# Altium PCB FM_V0.1.PcbDoc (part 1 of 3)
Units mm, origin at the board's own origin, x right, y up, seen from the top; angles counter-clockwise.
Board outline 99.9 x 100.1 mm, 2 copper layers (Top Layer, Bottom Layer); 147 components, 106 nets, 533 pads, 1581 vias.
Unrouted connection lines stored in the file: 2.
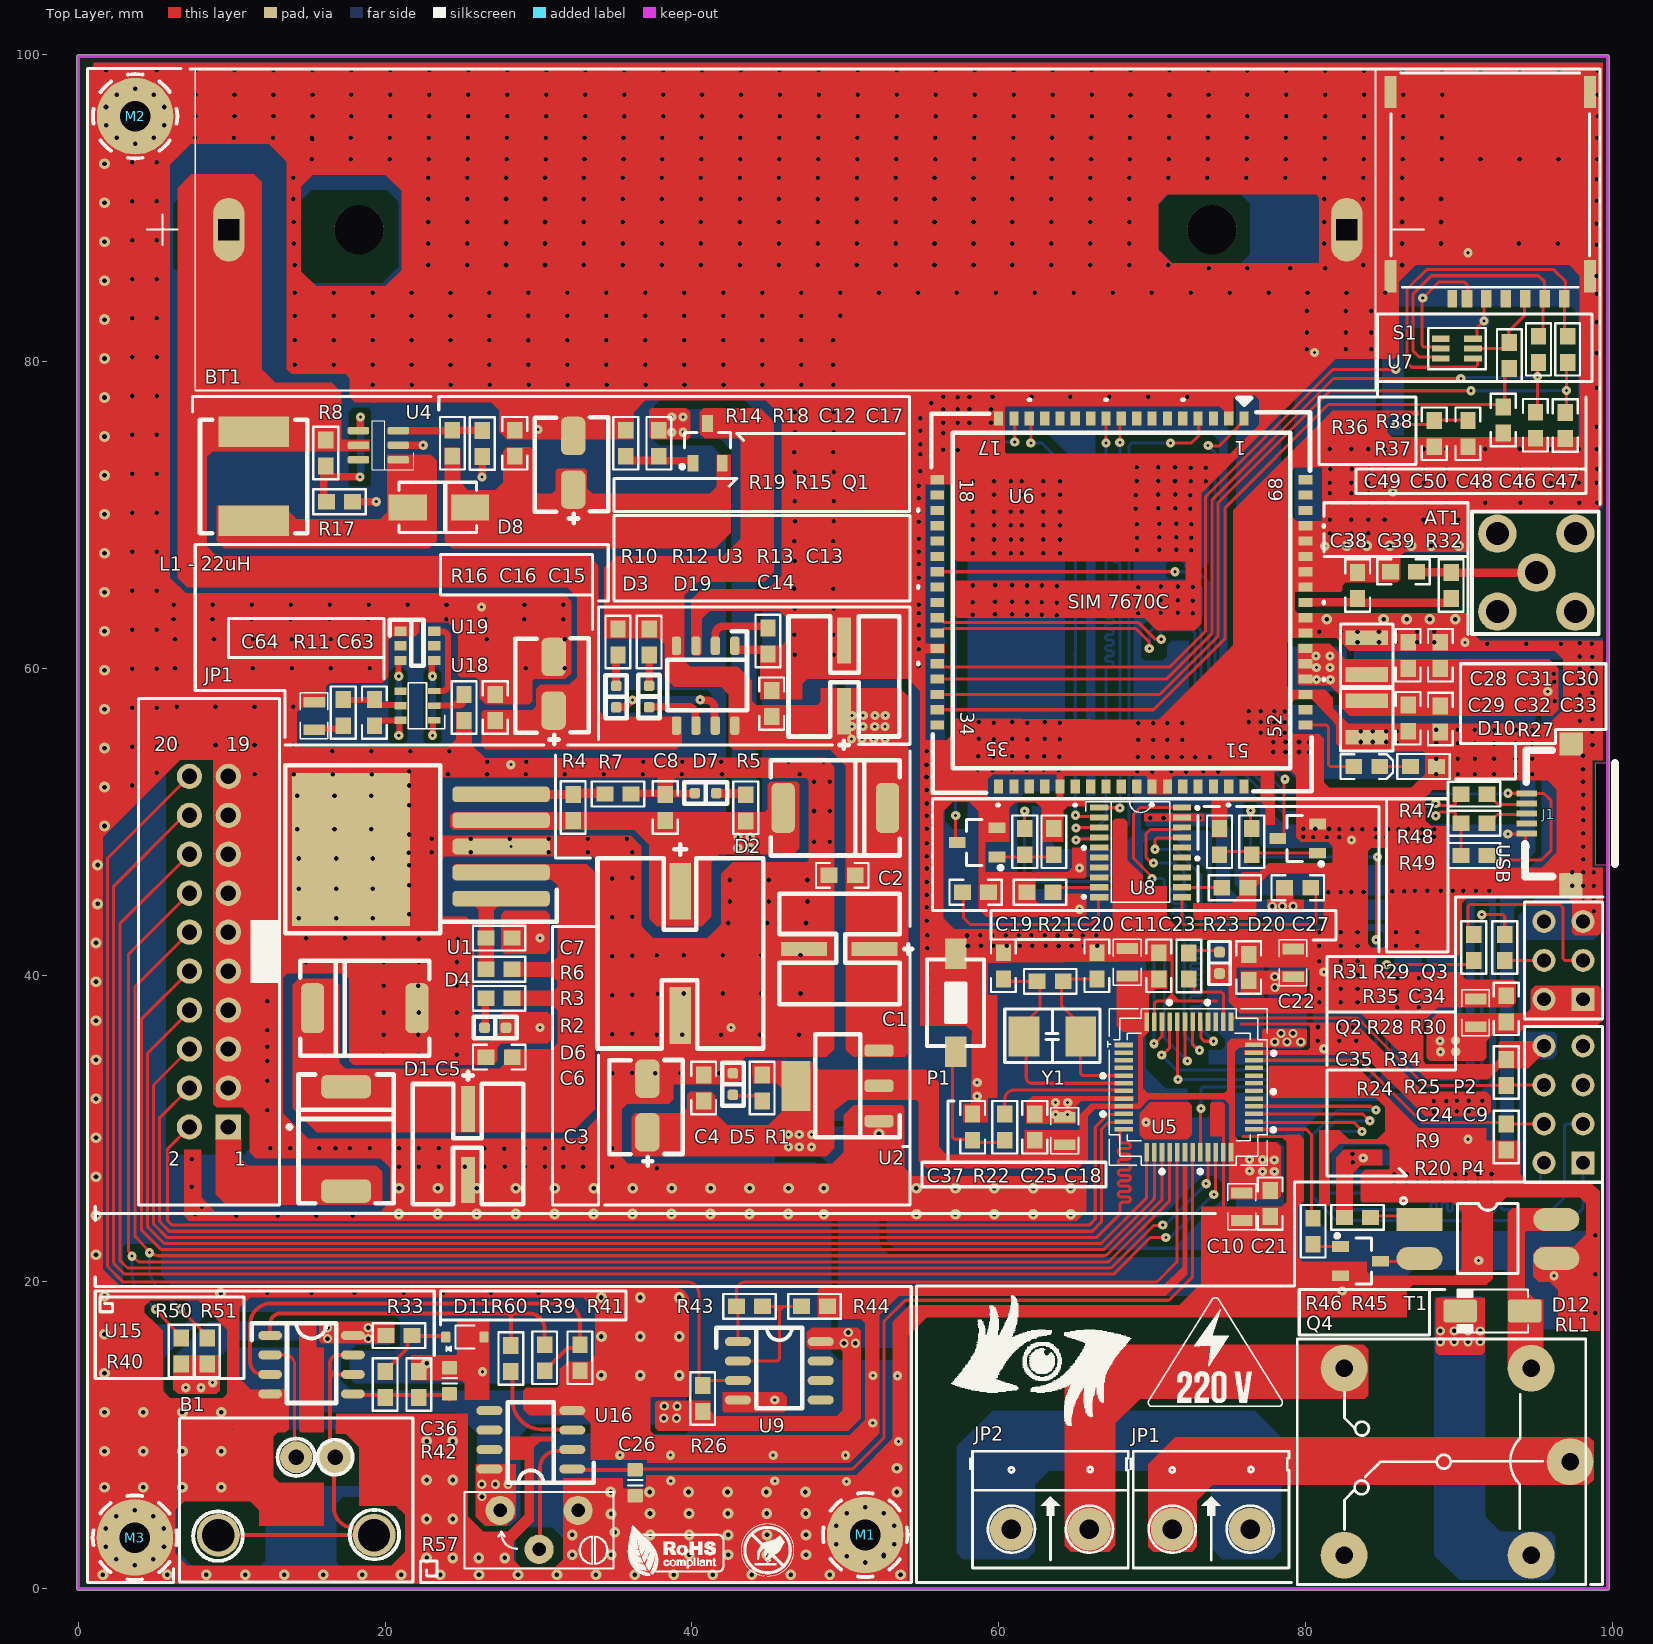
[diagram p0: Top Layer view]
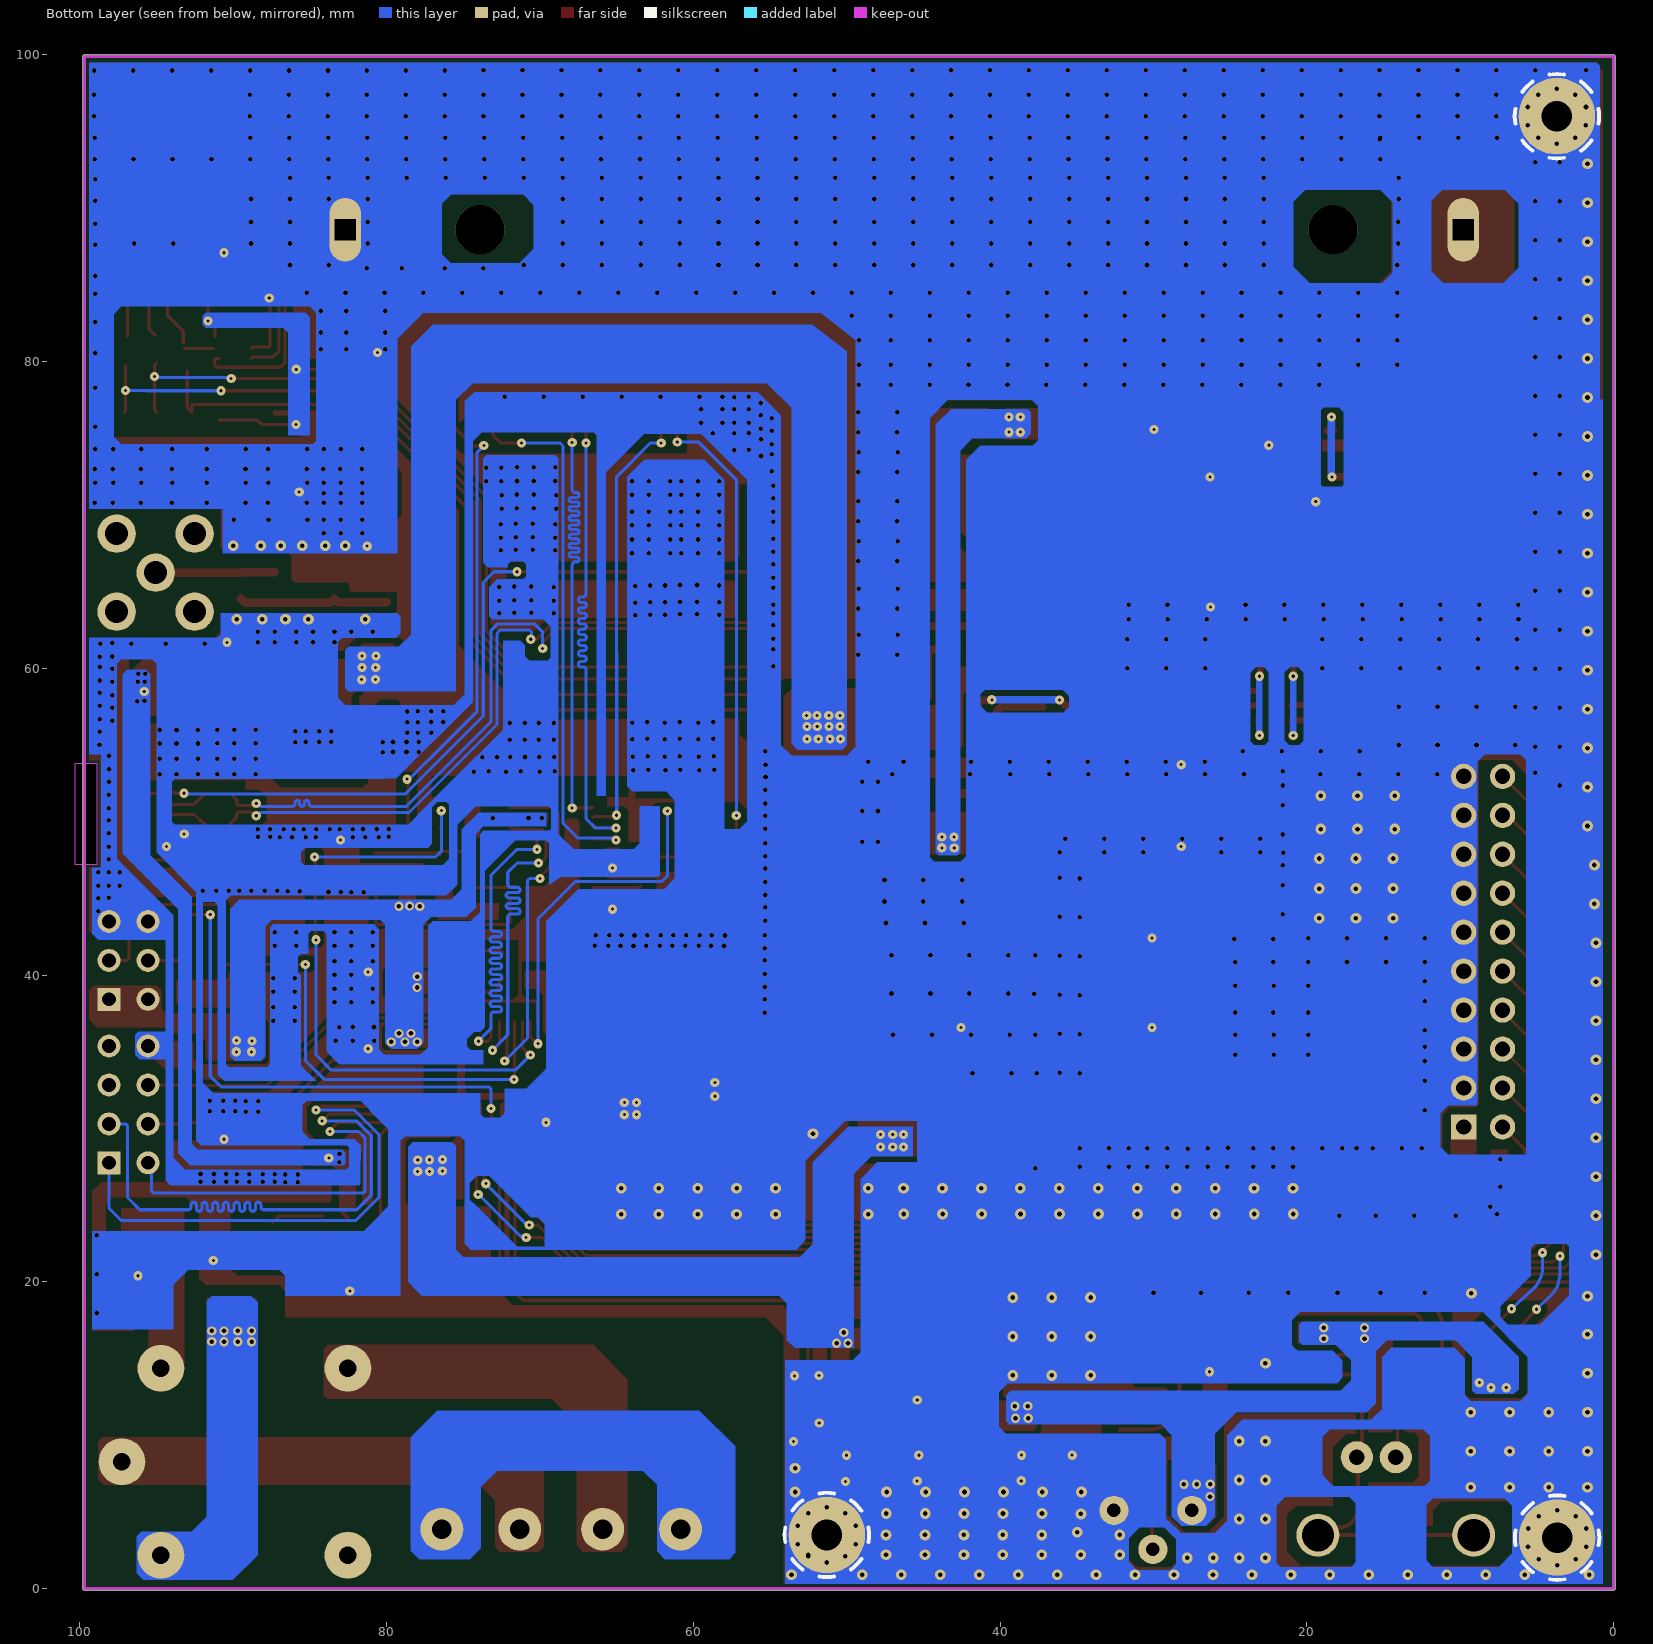
[diagram p1: Bottom Layer view, seen from below]
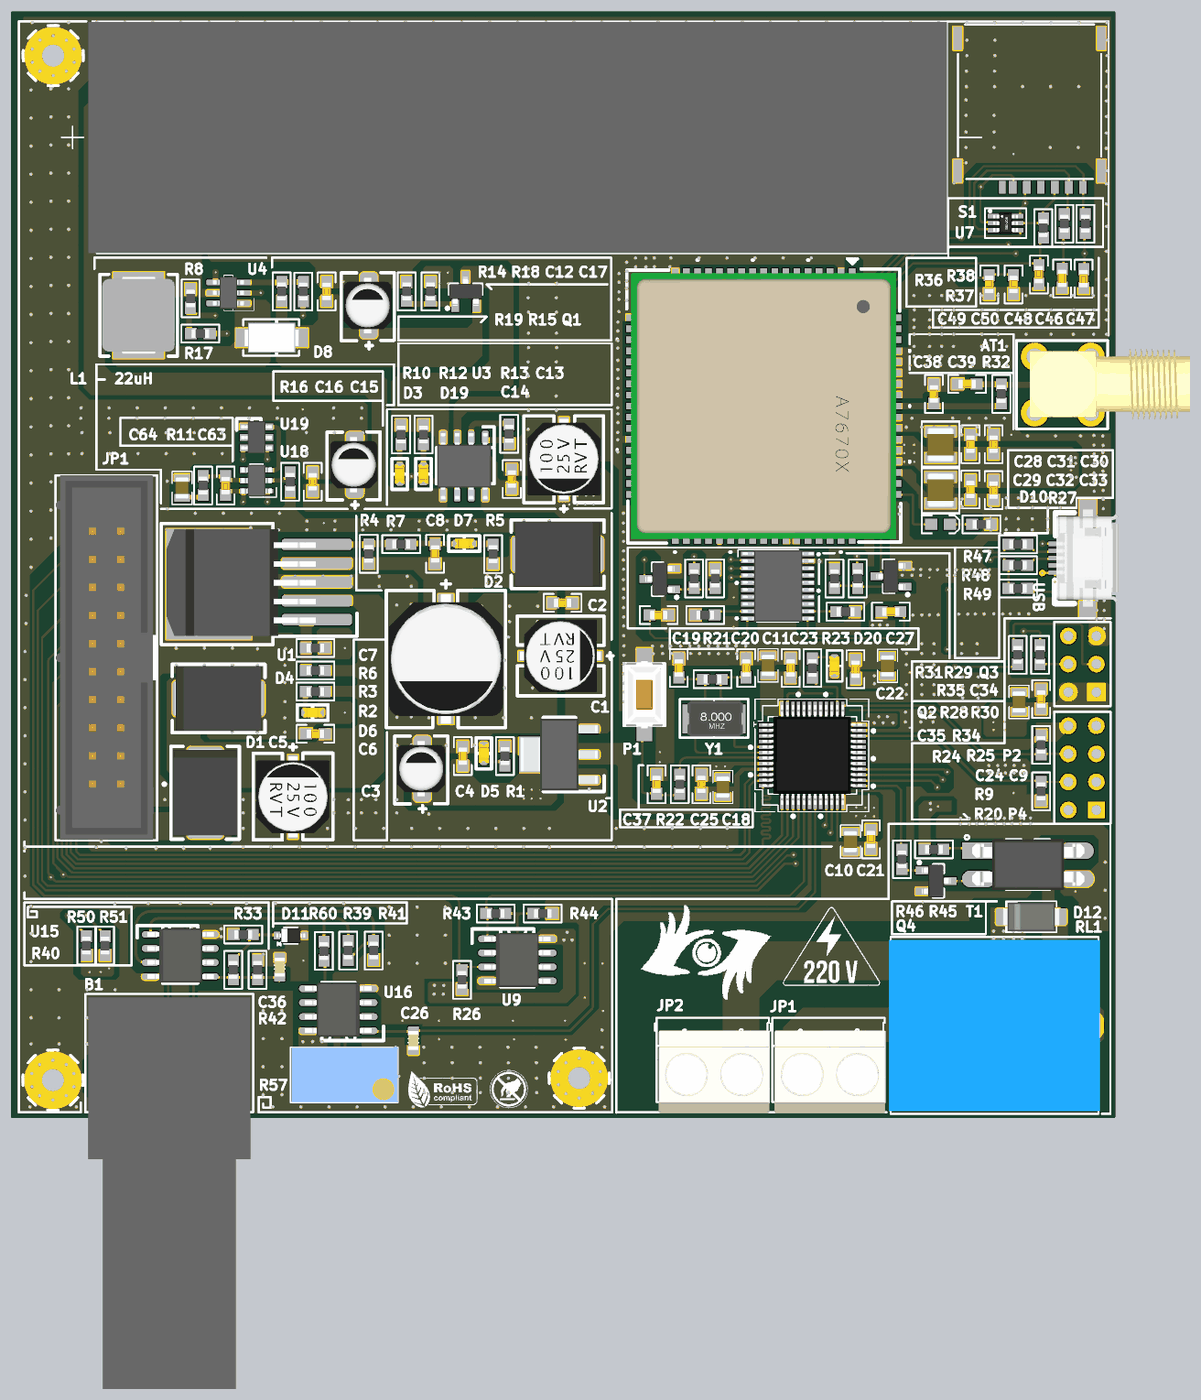
[diagram p4: 3D render of the assembled board from above, using the file's embedded part models]

## Layer stack, top to bottom
Top Solder: solder mask 0.0102, Solder Resist, Dk 3.5
Top Layer: signal copper 0.0356
Dielectric 1: dielectric 0.32, FR-4, Dk 4.8
Bottom Layer: signal copper 0.0356
Bottom Solder: solder mask 0.0102, Solder Resist, Dk 3.5

## Board outline
0,-0.1 cw(c0,0) -0.1,0 -0.1,99.9 cw(c0,99.9) 0,100 99.7,100 cw(c99.7,99.9) 99.8,99.9 99.8,0 cw(c99.7,0) 99.7,-0.1
cut-out: 98.9,53.8 98.9,47.2 100.3,47.2 100.3,53.8

## Design rules (kind name [scope] priority, off if disabled: settings)
Clearance [All] p1: gap=0.2 ignorepadtopadclearanceinfootprint=FALSE
Creepage [All] p1: checkdistance=0.254
DiffPairsRouting [InDifferentialPair('USB')] p1: maxlimit=0.254 minlimit=0.2 mostfreqgap=0.2 toplayer_minwidth=0.2 toplayer_maxwidth=0.2 toplayer_prefwidth=0.2 bottomlayer_minwidth=0.2 bottomlayer_maxwidth=0.2 bottomlayer_prefwidth=0.2 maxuncoupledlength=12.7
Length TMS_CLS [InNetClass('TSM_CLS')] p1: maxlimit=200 minlimit=0
Length [InNetClass('USB_CLS')] p2: maxlimit=200 minlimit=0
MatchedLengths TSM_CLS_1 [All] p1: tolerance=0.2 checknetsindiffpair=TRUE checkdiffpairvsdiffpair=FALSE checkxsignals=FALSE checkothers=FALSE
MatchedLengths [InNetClass('USB_CLS')] p2: tolerance=0.2 checknetsindiffpair=TRUE checkdiffpairvsdiffpair=FALSE checkxsignals=FALSE checkothers=FALSE
ParallelSegment TSM_CLS [InNetClass('TSM_CLS') vs InNetClass('TSM_CLS')] p1: limit=0.19 gap=0.19
ParallelSegment [InNetClass('USB_CLS') vs InNetClass('USB_CLS')] p2: limit=0.2 gap=0.2
PlaneConnect [All] p1: planeconnectstyle=Direct reliefexpansion=0.508 reliefentries=4 reliefconductorwidth=0.254 reliefairgap=0.254
PolygonConnect [All] p1: thpad.connectstyle=Direct thpad.reliefconductorwidth=0.254 thpad.reliefentries=4 thpad.polygonreliefangle="90 Angle" thpad.airgapwidth=0.254 smdpad.connectstyle=Direct smdpad.reliefconductorwidth=0.254 smdpad.reliefentries=4 smdpad.polygonreliefangle="90 Angle" smdpad.airgapwidth=0.254 via.connectstyle=Relief via.reliefconductorwidth=0.254 via.reliefentries=4 via.polygonreliefangle="90 Angle" via.airgapwidth=0.254
ReturnPath TSM_CLS_2 [InNetClass('TSM_CLS')] p1: _gaplimit=0
ReturnPath [InNetClass('USB_CLS')] p2: _gaplimit=0
RoutingCorners [All] p1: cornerstyle=Round minsetback=0.2 maxsetback=0.2
RoutingVias [All] p1: holewidth=0.2 width=0.6 viastyle="Through Hole" minholewidth=0.2 minwidth=0.3 maxholewidth=0.3 maxwidth=0.7
SolderMaskExpansion [All] p1: expansion=0.102 istentingtop=FALSE
UnConnectedPin [InNet('12V_IN')] p1:
UnRoutedNet [All] p1: checkbadconnections=TRUE
Width [All] p1: maxlimit=1 minlimit=0.15 preferedwidth=0.2
26 further rules are at their usual default settings.

## Classes and differential pairs
net class TSM_CLS: MCU_PIN_CTR_N1 MCU_PIN_CTR_N2 MCU_PIN_CTR_RI MCU_PIN_RX1_SIM MCU_PIN_RX2_DB MCU_PIN_SPI_CLK MCU_PIN_SPI_MISO MCU_PIN_SPI_MOSI MCU_PIN_TX1_SIM MCU_PIN_TX2_DB
net class USB_CLS: USB_N USB_P
component class U_[F_V1]MCU_Sheet: C9 C10 C11 C18 C19 C20 C21 C22 C23 C24 C25 C27 C37 D12 D20 JP1 JP2 P1 P2 P4 Q4 R9 R20 R21 R22 R23 R24 R25 R45 R46 RL1 T1 U5 Y1
component class U_[F_V1]_Sensors_And_BlockControl_Sheet: B1 C26 C36 D11 R26 R33 R39 R40 R41 R42 R43 R44 R57 R60 U9 U15 U16
component class U_[F_V1]_PowerSheet: BT1 C1 C2 C3 C4 C5 C6 C7 C8 C12 C13 C14 C15 C16 C17 C63 C64 D1 D2 D3 D4 D5 D6 D7 D8 D19 JP1 "L1 - 22uH" M1 M2 M3 Q1 R1 R2 R3 R4 R5 R6 R7 R8 R10 R11 R12 R13 R14 R15 R16 R17 R18 R19 R50 R51 U1 U2 U3 U4 U18 U19
component class U_[F_V1]_CommMunication_Sheet: AT1 C28 C29 C30 C31 C32 C33 C34 C35 C38 C39 C46 C47 C48 C49 C50 D10 J1 Q2 Q3 R27 R28 R29 R30 R31 R32 R34 R35 R36 R37 R38 R47 R48 R49 S1 U6 U7 U8
differential pair USB: +USB_P -USB_N

## Components (designator, comment, footprint, x,y, rotation, side; value= is the part's Value field where it differs from the comment)
AT1 "AT-GSM-GPS" "ANTENA - SMA2" 95.06,66.24 r0 top
B1 "CP-BNCPC-010" BNC 14.2,6.025 r90 top
BT1 "PIN-18650" PIN 18.295,88.8 r0 top
C1 "100uF" "CAPACITOR 6.3x7.7mm" 49.6,41.7 r90 top
C2 "100nF" "CAPC-0603 (1608)" 49.8,46.5 r0 top value=NF
C3 "25v 10uF SMD" "CAPACITOR 4x5.4mm" 37.1,31.5 r0 top
C4 "100nF" "CAPC-0603 (1608)" 40.767,32.639 r270 top value=NF
C5 "100uF" "CAPACITOR 6.3x7.7mm" 25.4,28.956 r180 top
C6 "1uF" "CAPC-0603 (1608)" 27.435,34.653 r0 top value=NF
C7 "330uF" "CAPACITOR 8x10mm SMD" 39.243,41.416 r180 top
C8 "100nF" "CAPC-0603 (1608)" 38.262,50.934 r270 top value=NF
C9 "NF" "CAPC-0603 (1608)" 93.1,37.8 r270 top
C10 "10uF" "CAP 10uF SMD 0805" 75.85,24.9 r90 top
C11 "10uF" "CAP 10uF SMD 0805" 68.386,40.839 r270 top
C12 "1000nF" "CAPC-0603 (1608)" 28.448,74.676 r270 top value=NF
C13 "100uF" "CAPACITOR 6.3x7.7mm" 49.91,59.504 r0 top
C14 "100nF" "CAPC-0603 (1608)" 45.2,57.7 r270 top value=NF
C15 "25v 10uF SMD" "CAPACITOR 4x5.4mm" 30.987,58.996 r0 top
C16 "100nF" "CAPC-0603 (1608)" 27.183,57.453 r270 top value=NF
C17 "25v 10uF SMD" "CAPACITOR 4x5.4mm" 32.258,73.406 r0 top
C18 "10uF" "CAP 10uF SMD 0805" 64.306,29.841 r270 top
C19 "NF" "CAPC-0603 (1608)" 60.312,40.608 r270 top
C20 "NF" "CAPC-0603 (1608)" 66.408,40.608 r270 top
C21 "NF" "CAPC-0603 (1608)" 77.7,25.1 r90 top
C22 "10uF" "CAP 10uF SMD 0805" 79.2,40.8 r270 top
C23 "NF" "CAPC-0603 (1608)" 70.437,40.608 r270 top
C24 "10uF" "CAP 10uF SMD 0805" 91.099,37.536 r270 top
C25 "NF" "CAPC-0603 (1608)" 62.358,30.083 r270 top
C26 "104" CAPC1608X90N 36.3,6.9 r270 top
C27 "NF" "CAPC-0603 (1608)" 76.3,40.5 r270 top
C28 "100uF" "100uF 1210 SMD" 84,60.8 r270 top
C29 "100uF" "100uF 1210 SMD" 84,56.7 r90 top
C30 "10PF" "CAPC-0603 (1608)" 88.8,60.85 r270 top value=NF
C31 "33PF" "CAPC-0603 (1608)" 86.7,60.85 r270 top value=NF
C32 "0.1UF" "CAPC-0603 (1608)" 86.7,56.75 r90 top value=NF
C33 "1UF" "CAPC-0603 (1608)" 88.8,56.7 r90 top value=NF
C34 "10PF" "CAPC-0603 (1608)" 79.5,45.7 r180 top value=NF
C35 "10PF" "CAPC-0603 (1608)" 58.5,45.4 r180 top value=NF
C36 "104" CAPC1608X90N 24.2,13.55 r90 top
C37 "NF" "CAPC-0603 (1608)" 58.3,30.083 r270 top
C38 "NF" "CAPC-0603 (1608)" 83.4,65.4 r270 top
C39 "NF" "CAPC-0603 (1608)" 86.4,66.3 r0 top
C46 "NF" "CAPC-0603 (1608)" 95,75.85 r90 top
C47 "NF" "CAPC-0603 (1608)" 96.945,75.832 r90 top
C48 "NF" "CAPC-0603 (1608)" 92.9,76.2 r90 top
C49 "NF" "CAPC-0603 (1608)" 88.4,75.3 r90 top
C50 "NF" "CAPC-0603 (1608)" 90.6,75.3 r90 top
C63 "100nF" "CAPC-0603 (1608)" 19.304,57.111 r90 top value=NF
C64 "10uF" "CAP 10uF SMD 0805" 15.367,56.896 r270 top
D1 "S3M" S3M 17.452,29.319 r90 top
D2 "S3M" S3M 49.35,50.9 r0 top
D3 "LED - 0603" "LED - 0603" 35.064,58.158 r270 top
D4 "S3M" S3M 18.669,37.846 r180 top
D5 "LED - 0603" "LED - 0603" 42.672,32.893 r90 top
D6 "LED - 0603" "LED - 0603" 27.178,36.576 r0 top
D7 "LED - 0603" "LED - 0603" 40.892,51.866 r180 top
D8 "SS34" DIODE_DO214AC_SMA 23.495,70.485 r0 top
D10 "RED" LED_0603_RED 84,53.6 r0 top
D11 "3.3V" SOD323 25.2,16.4 r0 top
D12 "Diode  1N4007" DO-214AC 92.2,18.1 r180 top value=1N4007
D19 "LED - 0603" "LED - 0603" 37.211,58.166 r270 top
D20 "LED - 0603" "LED - 0603" 74.4,40.8 r270 top
J1 "USB_M" USB_M 94.43,50.544 r0 top
JP1 "Header 2_1" HED2 71.317,3.876 r0 top value="Header 2"
JP1 "IDC20" "CAPBLE 20" 8.509,41.529 r90 top
JP2 "Header 2_1" HED2 60.837,3.876 r0 top value="Header 2"
"L1 - 22uH" "L-22uH-0530" INDUCTOR-0630-SMD 11.43,72.517 r270 top
M1 "HOLE" HOLE_2MM_5MM 51.3,3.5 r0 top
M2 "HOLE" HOLE_2MM_5MM 3.7,96 r0 top
M3 "HOLE" HOLE_2MM_5MM 3.68,3.32 r0 top
P1 "Value" "SW 2P SMD" 57.143,38.2 r90 top
P2 "Header 3X2A" HDR2X3_CEN 98.1,38.42 r90 top
P4 "Header 4X2A" HDR2X4_CEN 98.1,27.76 r90 top
Q1 "20V/4A" SOT23_3 41.021,74.676 r90 top
Q2 "2SC1815" SOT23_3 58.6,48.65 r180 top
Q3 "2SC1815" SOT23_3 79.5,48.9 r180 top
Q4 "2SC1815" SOT23_3 83.6,21.35 r0 top
R1 "650R" "RESC-0603 (1608)" 44.577,32.639 r90 top value=5.1R
R2 "1.2K" "RESC-0603 (1608)" 27.432,38.481 r0 top value=5.1R
R3 "6K" "RESC-0603 (1608)" 27.432,40.386 r180 top value=5.1R
R4 "100K" "RESC-0603 (1608)" 32.258,50.927 r90 top value=5.1R
R5 "330R" "RESC-0603 (1608)" 43.509,50.909 r270 top value=5.1R
R6 "6K" "RESC-0603 (1608)" 27.432,42.418 r180 top value=5.1R
R7 "47K" "RESC-0603 (1608)" 35.19,51.808 r180 top value=5.1R
R8 "5.27K" "RESC-0603 (1608)" 16.129,74.041 r270 top value=5.1R
R9 "10K" "RESC-0603 (1608)" 93.1,33.65 r90 top value=5.1R
R10 "5.1R" "RESC-0603 (1608)" 35.179,61.722 r90 top
R11 "100R" "RESC-0603 (1608)" 17.272,57.111 r270 top value=5.1R
R12 "5.1R" "RESC-0603 (1608)" 37.211,61.722 r90 top
R13 "1.2K" "RESC-0603 (1608)" 44.957,61.79 r90 top value=5.1R
R14 "14.7K" "RESC-0603 (1608)" 24.384,74.676 r90 top value=5.1R
R15 "5.1R" "RESC-0603 (1608)" 37.846,74.676 r270 top
R16 "1K" "RESC-0603 (1608)" 25.146,57.453 r270 top value=5.1R
R17 "5K" "RESC-0603 (1608)" 17.018,70.866 r0 top value=5.1R
R18 "2K" "RESC-0603 (1608)" 26.333,74.667 r270 top value=5.1R
R19 "5.1R" "RESC-0603 (1608)" 35.687,74.676 r270 top
R20 "10K" "RESC-0603 (1608)" 93.1,29.45 r270 top value=5.1R
R21 "1K" "RESC-0603 (1608)" 63.36,39.592 r0 top value=5.1R
R22 "10K" "RESC-0603 (1608)" 60.4,30.083 r270 top value=5.1R
R23 "1K" "RESC-0603 (1608)" 72.4,40.6 r90 top value=5.1R
R24 "10K" "RESC-0603 (1608)" 90.975,41.8 r90 top value=5.1R
R25 "10K" "RESC-0603 (1608)" 93,41.8 r90 top value=5.1R
R26 "1K" "RESC-0603 (1608)" 40.7,12.4 r270 top value=5.1R
R27 "NF" "RESC-0603 (1608)" 87.7,53.6 r180 top
R28 "NF" "RESC-0603 (1608)" 61.7,48.7 r90 top
R29 "NF" "RESC-0603 (1608)" 76.5,48.7 r90 top
R30 "NF" "RESC-0603 (1608)" 63.6,48.7 r90 top
R31 "NF" "RESC-0603 (1608)" 74.4,48.7 r90 top
R32 "NF" "RESC-0603 (1608)" 89.5,65.4 r270 top
R33 "1K" "RESC-0603 (1608)" 20.9,16.5 r180 top value=5.1R
R34 "NF" "RESC-0603 (1608)" 62.7,45.4 r0 top
R35 "NF" "RESC-0603 (1608)" 75.4,45.7 r0 top
R36 "NF" "RESC-0603 (1608)" 93.3,80.4 r270 top
R37 "NF" "RESC-0603 (1608)" 97.1,80.8 r270 top
R38 "NF" "RESC-0603 (1608)" 95.2,80.8 r270 top
R39 "10K" "RESC-0603 (1608)" 30.4,15.05 r90 top value=5.1R
R40 "1K" "RESC-0603 (1608)" 20,13.3 r90 top value=5.1R
R41 "10K" "RESC-0603 (1608)" 32.7,15.05 r90 top value=5.1R
R42 "10K" "RESC-0603 (1608)" 22.2,13.3 r270 top value=5.1R
R43 "1K" "RESC-0603 (1608)" 43.75,18.4 r180 top value=5.1R
R44 "200R" "RESC-0603 (1608)" 48,18.4 r180 top value=5.1R
R45 "1K" "RESC-0603 (1608)" 83.4,24.2 r0 top value=5.1R
R46 "1K" "RESC-0603 (1608)" 80.5,23.3 r270 top value=5.1R
R47 "NF" "RESC-0603 (1608)" 91,51.8 r180 top
R48 "NF" "RESC-0603 (1608)" 91,49.9 r180 top
R49 "NF" "RESC-0603 (1608)" 91,47.8 r0 top
R50 "330R" "RESC-0603 (1608)" 6.7,15.5 r90 top value=5.1R
R51 "330R" "RESC-0603 (1608)" 8.4,15.5 r90 top value=5.1R
R57 "25 Turn" "TrimPot_THT_2.54mm pitch" 32.58,5.1 r270 top value=10K
R60 "1K" "RESC-0603 (1608)" 28.2,15 r90 top value=5.1R
RL1 "Relay 10A/12V" RL_SPDT_10A 97.257,8.272 r180 top value="Relay SPDT, 10A, 12V"
S1 "SOCKET SIM C7801" "SOCKET SIM" 90.17,81.89 r0 top
T1 "70V/50mA" "OPTO TRANSISTOR_SMD-4" 91.9,22.8 r0 top
U1 "MIC29302A" MIC29302A 21.082,48.387 r90 top
U2 "AMS1117 - 3.3V" "AMS1117 -3.3V" 49.497,32.78 r90 top
U3 "TP4056" TP4056 40.893,58.869 r180 top
U4 "MT3608" MT3608 19.558,74.549 r90 top
U5 "STM32F103C8T6" STM32F103C8T6 72.4,32.7 r0 top
U6 "Module Sim A7670C" "Module Sim A7670C" 68,64.3 r180 top
U7 "SMF05CT2G" SOT65P210X140-6N 89.882,80.845 r0 top
U8 "TXS0108E" TXS0108E 69.6,48.1 r0 top
U9 "LM358D" LM358 45.7,14.2 r270 top
U15 "TLC4502" TLC4502 15.2,14.6 r270 top
U16 "LM358D" LM358 29.5,9.7 r90 top
U18 "DW01A" DW01A 22.096,57.566 r90 top
U19 "FS8205" FS8205 22.098,61.468 r270 top
Y1 "CRYSTAL - 8MHZ" "CRYSTAL - 8Mhz" 63.5,36 r180 top

## Footprints (in the part's own frame and the unit in brackets; to place one, negate y for a bottom-side part, rotate by r counter-clockwise, add the part's x,y. Pads: shape width x height; smd on the part's side, far side on the other; paste and mask are expansions set on the pad)
"100uF 1210 SMD" [mm]
  rect 0.95x2.8 smd: 1(-1.2,0) 2(1.2,0)
  silkscreen extent -2.1,-1.7 2,1.7, body extent -1.6,-1.25 1.6,1.25, height 2.7
"AMS1117 -3.3V" [mm]
  rrect50% 0.8x1.9 smd: 1(-2.3,-2.7) 2(0,-2.7) 3(2.3,-2.7)
  rect 3.25x1.9 smd: 2(0,2.7)
  silkscreen extent -3.35,-4.06 3.35,1.45, body extent -3.25,-3.5 3.25,3.5, height 1.8
"ANTENA - SMA2" [mm]
  round 2.5 hole 1.5: 1(0,0) 2(-2.54,-2.54) 2(-2.54,2.54) 2(2.54,-2.54) 2(2.54,2.54)
  silkscreen extent -4.2,-4 4.06,4, body extent -3,-3.15 11.5,3.25, height 9.7
BNC [mm]
  round 2.1 hole 1: 1(2.54,0) 2(2.54,-2.54)
  round 2.8 hole 2.1: 2(-2.54,5.08) 2(-2.54,-5.08)
  silkscreen extent -5.6,-7.6 5.1,7.6, body extent -30.63,-7.33 4.78,7.33, height 15.9
"CAP 10uF SMD 0805" [mm]
  rect 0.7x1.4 smd: 1(-0.9,0) 2(0.9,0)
  silkscreen extent -1.5,-0.9 1.5,0.9, body extent -1,-0.62 1,0.62, height 1.3
"CAPACITOR 4x5.4mm" [mm]
  rrect50% 1.6x2.5 smd: 1(0,-1.75) 2(0,1.75)
  silkscreen extent -2.5,-3.94 2.3,2.97, body extent -2.25,-2.5 2.05,2.5, height 5.8
"CAPACITOR 6.3x7.7mm" [mm]
  rect 0.9x3 smd: 1(0,-2.3) 2(0,2.3)
  silkscreen extent -3.61,-4.76 3.6,3.9, body extent -3.3,-3.65 3.3,3.65, height 7.7
"CAPACITOR 8x10mm SMD" [mm]
  rect 1.4x3.7 smd: 1(0,-4.05) 1(0,-4.05) 2(0,4.05)
  silkscreen extent -5.4,-7.11 5.4,6.2, body extent -5.15,-5.85 5.15,5.85, height 10.3
"CAPBLE 20" [mm]
  rect 1.65x1.65 hole 1: 1(-11.43,-1.27)
  round 1.65 hole 1: 2(-11.43,1.27) 3(-8.89,-1.27) 4(-8.89,1.27) 5(-6.35,-1.27) 6(-6.35,1.27) 7(-3.81,-1.27) 8(-3.81,1.27) 9(-1.27,-1.27) 10(-1.27,1.27) 11(1.27,-1.27) 12(1.27,1.27) 13(3.81,-1.27) 14(3.81,1.27) 15(6.35,-1.27) 16(6.35,1.27) 17(8.89,-1.27) 18(8.89,1.27) 19(11.43,-1.27) 20(11.43,1.27)
  silkscreen extent -16.51,-5.38 16.51,4.6, body extent -16.48,-4.27 16.52,4.58, height 8.92
CAPC1608X90N [mm] "Chip Capacitor, Body 1.6x0.8mm, EIA 0603, IPC Medium Density"
  round 0.254 on Mech15: 0(0,0)
  rrect25% 0.9x1 smd: 1(-0.85,0) 2(0.85,0)
  Top Layer pour cut-out: -0.6,0.5 -0.4,0.7 0.4,0.7 0.6,0.5 0.6,-0.5 0.4,-0.7 -0.4,-0.7 -0.6,-0.5
  silkscreen extent -0.18,-0.48 0.18,0.48, body extent -0.85,-0.45 0.85,0.45, height 0.89
"CAPC-0603 (1608)" [mm] "Resistor, Chip; 1.60 mm L X 0.80 mm W X 0.50 mm H body"
  rect 1.1x1 smd mask+0.1: 1(-0.85,0) 2(0.85,0)
  silkscreen extent -1.71,-0.81 1.71,0.81, body extent -0.8,-0.4 0.8,0.4, height 0.6
"CRYSTAL - 8Mhz" [mm]
  rect 2x2.6 smd: 1(-1.85,0) 2(1.85,0)
  silkscreen extent -3.1,-1.8 3.1,1.7, body extent -2.61,-1.63 2.39,1.57, height 1.2
DIODE_DO214AC_SMA [mm] "Diode 2214AC- SMA type"
  rect 2.5x1.7 smd: 1(-2.032,0) 2(2.032,0)
  silkscreen extent -2.59,-1.63 2.46,1.7, body extent -2.53,-1.35 2.47,1.35, height 2.25
DO-214AC [mm] "JEDEC DO214 variation AC. SMA"
  round 0.508 on Mech15: 0(0,0)
  rrect25% 2.2x1.5 smd: A(-2.1,0) K(2.1,0)
  silkscreen extent -2.3,-1.4 2.3,1.4, body extent -2.6,-1.3 2.6,1.3, height 2.42
DW01A [mm]
  rect 0.4x0.8 smd: 1(-0.95,-1.1) 2(0,-1.1) 3(0.95,-1.1)
  rect 0.5x0.8 smd: 4(0.95,1.1) 5(0,1.1) 6(-0.95,1.1)
  silkscreen extent -1.5,-1.81 1.5,0.6, body extent -1.43,-1.4 1.42,1.4, height 1.35
FS8205 [mm]
  rect 0.6x0.8 smd: 1(-0.95,-1.1) 2(0,-1.1) 3(0.95,-1.1) 4(0.95,1.1) 5(0,1.1) 6(-0.95,1.1)
  silkscreen extent -1.7,-1.79 1.3,0.4, body extent -1.45,-1.4 1.45,1.4, height 1.43
HDR2X3_CEN [mm] "Connector; Header; 3x2 Position"
  rect 1.5x1.5 hole 0.9: 1(0,0)
  round 1.5 hole 0.9: 2(2.54,0) 3(5.08,0) 4(0,2.54) 5(2.54,2.54) 6(5.08,2.54)
  silkscreen extent -1.27,-1.27 6.35,3.81, body extent -1.27,-1.27 6.35,3.81, height 7
HDR2X4_CEN [mm] "Connector; Header; 4x2 Position"
  rect 1.5x1.5 hole 0.9: 1(0,0)
  round 1.5 hole 0.9: 2(2.54,0) 3(5.08,0) 4(7.62,0) 5(0,2.54) 6(2.54,2.54) 7(5.08,2.54) 8(7.62,2.54)
  silkscreen extent -1.27,-1.27 8.89,3.81, body extent -1.27,-1.27 8.89,3.81, height 7
HED2 [mil] "Header 2, 2 pin, hight 300mil, Pin to Pin 200, Colour Green"
  round 110 hole 50: 1(0,0) 2(200,0)
  silkscreen extent -106,-100 300,200, body extent -92,-140 302,155, height 394
HOLE_2MM_5MM [mm]
  round 5 hole 2: GND(0,0)
  silkscreen extent -2.75,-2.75 2.75,2.75
INDUCTOR-0630-SMD [mm]
  rect 2x4.6 smd: 1(-2.9,0) 2(2.9,0)
  silkscreen extent -3.7,-3.5 3.7,3.5, body extent -3.5,-3.3 3.5,3.3, height 2.8
"LED - 0603" [mm]
  rrect50% 0.7x0.7 smd: 1(-0.7,0) 2(0.7,0)
  silkscreen extent -1.4,-0.7 1.4,0.7, body extent -0.85,-0.45 0.85,0.45, height 0.9
LED_0603_RED [mm] "LED SMD; Body 1.6 x 0.8 mm (LxW typ)"
  rect 1.1x1 smd mask+0.1: 1(-0.851,0) 2(0.849,0)
  silkscreen extent -1.71,-0.81 1.71,0.81, body extent -0.8,-0.4 0.8,0.4, height 0.75
LM358 [mm]
  oval 0.6x1.7 smd: 1(-1.905,-2.7) 2(-0.635,-2.7) 3(0.635,-2.7) 4(1.905,-2.7) 5(1.905,2.7) 6(0.635,2.7) 7(-0.635,2.7) 8(-1.905,2.7)
  silkscreen extent -2.8,-4.1 2.45,1.5, body extent -2.45,-3.01 2.45,3.01, height 1.63
MIC29302A [mm] "MIC29302A - 3.3V 3A"
  rrect50% 1.02x6.35 smd: 1(-3.4,-6.477) 2(-1.7,-6.477) 3(0,-6.477) 4(1.7,-6.477) 5(3.4,-6.477)
  rect 10x7.7 smd: 3(-0.2,3.3)
  silkscreen extent -5.67,-10.11 5.3,7.6, body extent -4.89,-6.37 4.76,7.1, height 4.36
"Module Sim A7670C" [mm] "Module Sim A7670C"
  rect 0.6x0.9 smd mask+0.1: 1(-8,-12) 2(-7,-12) 3(-6,-12) 4(-5,-12) 5(-4,-12) 6(-3,-12) 7(-2,-12) 8(-1,-12) 9(0,-12) 10(1,-12) 11(2,-12) 12(3,-12) 13(4,-12) 14(5,-12) 15(6,-12) 16(7,-12) 17(8,-12) 35(8,12) 36(7,12) 37(6,12) 38(5,12) 39(4,12) 40(3,12) 41(2,12) 42(1,12) 43(0,12) 44(-1,12) 45(-2,12) 46(-3,12) 47(-4,12) 48(-5,12) 49(-6,12) 50(-7,12) 51(-8,12)
  rect 0.9x0.6 smd mask+0.1: 18(12,-8) 19(12,-7) 20(12,-6) 21(12,-5) 22(12,-4) 23(12,-3) 24(12,-2) 25(12,-1) 26(12,0) 27(12,1) 28(12,2) 29(12,3) 30(12,4) 31(12,5) 32(12,6) 33(12,7) 34(12,8) 52(-12,8) 53(-12,7) 54(-12,6) 55(-12,5) 56(-12,4) 57(-12,3) 58(-12,2) 59(-12,1) 60(-12,0) 61(-12,-1) 62(-12,-2) 63(-12,-3) 64(-12,-4) 65(-12,-5) 66(-12,-6) 67(-12,-7) 68(-12,-8)
  silkscreen extent -13.2,-13.33 13.25,13.21, body extent -12,-12 12,12, height 2.3
MT3608 [mm]
  rrect50% 0.5x1.4 smd: 1(-0.95,-1.3) 2(0,-1.3) 3(0.95,-1.3) 4(0.95,1.3) 5(0,1.3) 6(-0.95,1.3)
  silkscreen extent -1.6,-2.3 1.6,0.4, body extent -1.45,-1.4 1.45,1.4, height 1.45
"OPTO TRANSISTOR_SMD-4" [mm]
  rect 3x1.5 smd: 1(-4.46,1.27)
  oval 3x1.5 smd: 2(-4.46,-1.27) 3(4.46,-1.27) 4(4.46,1.27)
  silkscreen extent -5.71,-2.26 1.97,2.69, body extent -5.05,-2.29 5.11,2.3, height 3.85
PIN [mm]
  oval 2.07x4.14 hole 1.38 square: 1(-8.495,-0.2) 2(64.405,-0.2)
  round 3.2 hole 3.2 unplated: ""(0,-0.2) ""(55.615,-0.2)
  silkscreen extent -13.83,-10.69 69.43,10.29, body extent -11.4,-10.65 66.3,10.25, height 21.91
"RESC-0603 (1608)" [mm] "Resistor, Chip; 1.60 mm L X 0.80 mm W X 0.50 mm H body"
  rect 1.1x1 smd mask+0.1: 1(-0.85,0) 2(0.85,0)
  silkscreen extent -1.71,-0.81 1.71,0.81, body extent -0.8,-0.4 0.8,0.4, height 0.5
RL_SPDT_10A [mil] "Relay SPDT, 5 pin, 10A,W 650mil, L 800mil, H 800mil"
  round 120 hole 45: 1(0,0) 2(580,240) 3(580,-240) 4(100,-240) 5(100,240)
  silkscreen extent -40,-315 700,315, body extent -46,-304 706,306, height 602
S3M [mm]
  rrect50% 1.524x3.27 smd: 1(-3.405,0) 2(3.405,0)
  silkscreen extent -4.2,-3.1 4.2,3.1, body extent -3.97,-2.95 3.97,2.95, height 2.85
"SOCKET SIM" [mm]
  rect 0.7x1.14 smd: 1(1.63,2.2) 2(4.17,2.2) 3(6.71,2.2) 5(0.36,2.2) 6(2.9,2.2) 7(5.44,2.2)
  rect 0.8x2.1 smd: 5(-4.62,3.68) 5(-4.62,15.68) 5(8.38,3.68) 5(8.38,15.68)
  rect 0.6x1.14 smd: CD(-0.59,2.2)
  Top Layer pour cut-out: 6.6,16.155 6.6,13.205 4.8,13.205 4.8,16.155
  Top Layer pour cut-out: 4.06,16.155 4.06,13.205 2.26,13.205 2.26,16.155
  Top Layer pour cut-out: 1.52,16.155 1.52,13.205 -0.28,13.205 -0.28,16.155
  Top Layer pour cut-out: 1.52,10.18 1.52,7.23 -0.28,7.23 -0.28,10.18
  Top Layer pour cut-out: 4.06,10.18 4.06,7.23 2.26,7.23 2.26,10.18
  Top Layer pour cut-out: 6.6,10.18 6.6,7.23 4.8,7.23 4.8,10.18
  Top Layer pour cut-out: 1.52,6.155 1.52,3.205 -0.28,3.205 -0.28,6.155
  silkscreen extent -4.59,2.96 8.36,16.93, body extent -4.62,1.98 8.38,16.43, height 1.35
SOD323 [mm] "SOD-323; 2 Leads; Body 1.8 x 1.35 mm, (LxW)"
  round 0.508 on Mech15: 0(0,0)
  rrect25% 0.6x0.7 smd: A(1.25,0) K(-1.25,0)
  silkscreen extent -1.2,-0.9 0.64,0.75, body extent -1.3,-0.68 1.3,0.68, height 1.1
SOT23_3 [mm] "SOT23, 3-Leads, Body 2,90x2,30mm, Pitch 0,95mm, IPC Medium Density"
  rect 1.1x0.7 smd: 1(-1.3,0.95) 2(-1.3,-0.95) 3(1.3,0)
  silkscreen extent -1.65,-1.5 0.7,1.78, body extent -1.3,-1.5 1.3,1.5, height 1.1
SOT65P210X140-6N [mm] "SOT23, 6-Leads, Body 2.00x2.10mm, Pitch 0.65mm, IPC Medium Density"
  round 0.4 on Top Overlay: 0(-1.4,1.1)
  rect 1.15x0.4 smd: 1(-1.05,0.65) 2(-1.05,0) 3(-1.05,-0.65) 4(1.05,-0.65) 5(1.05,0) 6(1.05,0.65)
  silkscreen extent -1.88,-1.35 1.88,1.35, body extent -1.13,-1 1.13,1, height 1
STM32F103C8T6 [mm]
  rect 1.2x0.3 smd: 1(-4.25,2.74) 2(-4.25,2.25) 3(-4.25,1.75) 4(-4.25,1.25) 5(-4.25,0.75) 6(-4.25,0.25) 7(-4.25,-0.25) 8(-4.25,-0.75) 9(-4.25,-1.25) 10(-4.25,-1.75) 11(-4.25,-2.25) 12(-4.25,-2.75) 25(4.25,-2.75) 26(4.25,-2.25) 27(4.25,-1.75) 28(4.25,-1.25) 29(4.25,-0.75) 30(4.25,-0.25) 31(4.25,0.25) 32(4.25,0.75) 33(4.25,1.25) 34(4.25,1.75) 35(4.25,2.25) 36(4.25,2.75)
  rect 0.3x1.2 smd: 13(-2.75,-4.25) 14(-2.25,-4.25) 15(-1.75,-4.25) 16(-1.25,-4.25) 17(-0.75,-4.25) 18(-0.25,-4.25) 19(0.25,-4.25) 20(0.75,-4.25) 21(1.25,-4.25) 22(1.75,-4.25) 23(2.25,-4.25) 24(2.75,-4.25) 37(2.75,4.25) 38(2.25,4.25) 39(1.75,4.25) 40(1.25,4.25) 41(0.75,4.25) 42(0.25,4.25) 43(-0.25,4.25) 44(-0.75,4.25) 45(-1.25,4.25) 46(-1.75,4.25) 47(-2.25,4.25) 48(-2.75,4.25)
  silkscreen extent -5.7,-5.61 5.63,5.61, body extent -4.5,-4.46 4.5,4.54, height 1.48
"SW 2P SMD" [mm]
  rect 2x1.4 smd: 1(-3.2,-0.051) 2(3.2,-0.051)
  silkscreen extent -2.82,-1.91 2.82,1.8, body extent -3.05,-1.9 3.05,1.8, height 2.5
TLC4502 [mm]
  oval 0.6x1.55 smd: 1(-1.905,-2.7) 2(-0.635,-2.7) 3(0.635,-2.7) 4(1.905,-2.7) 5(1.905,2.7) 6(0.635,2.7) 7(-0.635,2.7) 8(-1.905,2.7)
  silkscreen extent -2.7,-3.9 2.5,1.6, body extent -2.45,-2.97 2.45,3.05, height 1.63
TP4056 [mm]
  rrect50% 0.6x1.2 smd: 1(-1.905,-2.6) 1(-1.905,-2.6) 2(-0.635,-2.6) 3(0.635,-2.6) 4(1.905,-2.6) 5(1.905,2.6) 6(0.635,2.6) 7(-0.635,2.6) 8(-1.905,2.6)
  silkscreen extent -2.7,-3.55 2.5,1.6, body extent -2.45,-3 2.45,3, height 1.75
"TrimPot_THT_2.54mm pitch" [mil] "TRIMMER, MURATA, PV36Y"
  round 75 hole 35: 1(0,0) 2(100,-100) 3(0,-200)
  silkscreen extent -47,-291 150,91, body extent -47,-287 150,91, height 445
TXS0108E [mm]
  rect 1.2x0.4 smd: 1(-3.044,2.825) 2(-3.044,2.175) 3(-3.044,1.525) 4(-3.044,0.875) 5(-3.044,0.225) 6(-3.044,-0.425) 7(-3.044,-1.075) 8(-3.044,-1.725) 9(-3.044,-2.375) 10(-3.044,-3.025) 11(2.356,-3.025) 12(2.356,-2.375) 13(2.356,-1.725) 14(2.356,-1.075) 15(2.356,-0.425) 16(2.356,0.225) 17(2.356,0.875) 18(2.356,1.525) 19(2.356,2.175) 20(2.356,2.825)
  silkscreen extent -4.15,-3.34 3.46,3.21, body extent -3.49,-3.32 2.91,3.18, height 1.2
USB_M [mm]
  rect 1.35x0.4 smd: 1(0,1.3) 2(0,0.65) 3(0,0) 4(0,-0.65) 5(0,-1.3)
  rect 1.524x1.524 smd: 5(2.87,-4.644) 5(2.896,4.526)
  silkscreen extent -0.1,-4.11 5.77,4.12, body extent 0.05,-4.4 5.65,4.4, height 2.7

## Part data
AT1: library part RFCON171003SF6B001, "CONNECTER ANTENNA GPS GSM", CompanyID=VT-00392, MPN=RFCON171003SF6B001, Solder=HAND
C1 C5 C13: library part "25V 100uF SMD"
C2 C4 C6 C8 C9 C12 C14 C16 C19 C20 C21 C23 C25 C27 C30 C31 C32 C33 C34 C35 C37 C38 C39 C46 C47 C48 C49 C50 C63: library part "CAPC NF 0603", "CAP SMD, Not Fill, 0603", Category=CAPACITOR, Solder="Not Fill"
C7: library part "25V 330uF SMD"
C10 C11 C18 C22 C24 C64: library part "CAP 0805 10uF SMD"
C26 C36: library part "CAP C_0603", "Capacitor SMD Cer 470nF 10% 16V X7R 0603", Manufacturer 1="Murata Electronics North America", Manufacturer 2="TDK Corporation", Manufacturer 3="Taiyo Yuden", Manufacturer 4=Samsung, Manufacturer Part Number 1=GRM188R71C474KA88D, Manufacturer Part Number 2=C1608X7R1C474K, Manufacturer Part Number 3=EMK107B7474KA-T, Manufacturer Part Number 4=CL10B474KONE, Package / Case="0603 (1608 metric)", Ratings="16V; X7R", Supplier Part Number 1=490-3295-2-ND, Tolerance=±10%, ComponentLink1Description=http://psearch.murata.com/capacitor/product/GRM188R71C474KA88#.pdf, ComponentLink1URL=http://psearch.murata.com/capacitor/product/GRM188R71C474KA88#.pdf, ComponentLink2Description=http://product.tdk.com/capacitor/mlcc/en/documents/mlcc_commercial_general_en.pdf, ComponentLink2URL=http://product.tdk.com/capacitor/mlcc/en/documents/mlcc_commercial_general_en.pdf, ComponentLink3Description=http://www.yuden.co.jp/or/product/category/capacitor/EMK107B7474KA-T.pdf, ComponentLink3URL=http://www.yuden.co.jp/or/product/category/capacitor/EMK107B7474KA-T.pdf, Material=ceramic, SCDType=spec, Supplier 1=Digi-Key, Supplier 2=Digi-Key, Supplier 3=Digi-Key, Supplier Part Number 2=445-5192-2-ND, Supplier Part Number 3=587-1250-2-ND
C28 C29: library part "CAP SMD 1210 100uF"
D8: "DIODE SCHOTTKY 40V 3A SMA", MPN=SS34, Solder=SMT
D10: library part "LED RED 0603", "LED RED 0603 SMD", Solder=SMT
D11: library part DIODE_ZENER_3V3_SOD323, "Diode Zener SMD 3.3V 200mW SOD-323", Manufacturer 1="ON Semiconductor", Manufacturer Part Number 1=MM3Z3V3ST1G, Package / Case=SOD-323, Ratings="3.3V; 0.2W; Vf=900mV @ 10mA", Supplier Part Number 1=MM3Z3V3ST1GOSCT-ND, Tolerance=±3%, Diode Type=Zener, Material=Si, SCDType=source, Supplier 1=Digi-Key
D12: "Diode 1A"
JP1 JP2: "Header, 2-Pin", Manufacturer="Generic Components", Class=Connector
JP1: library part "CAPBLE 20", "Flat Cable Connector (IDC), Standard Male Header, Straight Press-in Pin, 20 Contacts, Performance Level 2", PackageDocument=Feb-2000, ComponentLink1Description="Manufacturer Link", ComponentLink1URL=http://www.harting.com/, ComponentLink2Description="Packaging Specification", ComponentLink2URL=http://www.harkis.harting.com/_sek/pdf/TB_0918520x329_BL01_R32154.pdf, DrillSize="Corresponds to nominal value.", PackageReference=918520x329, PCB_Layout="Complies with manufacturer's recommendation.", Published=15-Nov-2004, Publisher="Altium Limited"
M1 M2 M3: library part HOLE_2_4/2_5/3_5/3_6, "HOLE 2_4/2_5/3_5/3_6", MPN=None, ClassName=MECH_HOLE, CompanyID=VT-, Solder="Not Fill"
P1: library part "Button 2 SMD", "SMD Mini Push Button Switch 2 Pin 3x6x2.7mm", MPN="SMD Mini Push Button 2 SMD", Link=https://ram-e-shop.com/product/press2pin-smd/
P2: "Header, 3-Pin, Dual row", LatestRevisionDate=17-Jul-2002, LatestRevisionNote="Re-released for DXP Platform.", Publisher="Altium Limited"
P4: "Header, 4-Pin, Dual row", Solder=WAVE
Q1: library part AO3415, "MOSFET P-CH 20V 4A SOT23", MFR="Alpha & Omega Semiconductor Inc.", MPN=AO3415, Solder=SMT
Q2 Q3 Q4: "TRANS NPN 50V 0.15A SOT23-3", MPN=2SC1815, Solder=SMT
R1 R2 R3 R4 R5 R6 R7 R8 R9 R10 R11 R12 R13 R14 R15 R16 R17 R18 R19 R20 R21 R22 R23 R24 R25 R26 R33 R39 R40 R41 R42 R43 R44 R45 R46 R50 R51 R60: library part CRCW06035R10FKEA, "RES SMD 5.1 OHM 1% 1/10W 0603", MFR="Vishay Dale", Category=RESISTOR, MPN=CRCW06035R10FKEA, PinCount=2, Solder=SMT
R27 R28 R29 R30 R31 R32 R34 R35 R36 R37 R38 R47 R48 R49: library part "RESC NF 0603", "RES SMD, Not Fill, 0603", Category=RESISTOR, Solder="Not Fill"
R57: library part RES_TRIMMER_1K_25T_THT, "Trimmer, 25-Turn, 1K cermet", Manufacturer 1="Murata Electronics North America", Manufacturer Part Number 1=PV36Y102C01B00, Ratings="25 turn variable cermet", Supplier Part Number 1=490-2912-ND, Tolerance=10%, SCDType=spec, Supplier 1=Digi-Key
RL1: library part "Relay 1", "Relay SPDT,10A - 12VDC 5 Pin"
T1: library part HCPL-817-500E, "OPTOISOLATOR 5KV TRANSISTOR 4SMD", CompanyID=VT-00147, MPN=HCPL-817-500E, Solder=SMT
U7: library part SMF05C, "TVS Diode Array For ESD and Latch-Up Protection", MFR="ON SEMICONDUCTOR", Category=IC, CompanyID=VT-0, MPN=SMF05CT2G, Solder=SMT

## Via types
v1: diameter 0.3, hole 0.3, Top Layer to Bottom Layer, tented both sides, 1189 vias
v2: diameter 0.7, hole 0.3, Top Layer to Bottom Layer, tented both sides, 190 vias
v3: diameter 0.6, hole 0.2, Top Layer to Bottom Layer, tented both sides, 153 vias
v4: diameter 0.6, hole 0.3, Top Layer to Bottom Layer, tented both sides, 33 vias
v5: diameter 0.7, hole 0.3, Top Layer to Bottom Layer, 15 vias
v6: diameter 0.6, hole 0.2, Top Layer to Bottom Layer, 1 vias

## Nets (pads, with @x,y where several pads share a name; then routed paths per layer and width w, separated by ;. In a path a pad name is that pad's centre, name@x,y a point inside that pad or via, vN(x,y) a via of type N, cw(c..) or ccw(c..) an arc to the next point about the centre after c; other vN are vias at no path point)
12V_IN: D1.1 JP1.1@9.779,30.099 | length 11.6
  Top Layer w1: JP1.1@9.779,30.099 9.779,26.797 10.668,25.908 17.609,25.908 D1.1@17.653,25.864 ; D1.1@17.629,25.654 D1.1@17.653,25.678
BOOT0_PIN: R24.1 U5.44 | length 29.7
  Top Layer w0.2: U5.44@71.65,36.95 U5.44@71.65,36.95 71.652,33.234 v3(71.686,33.2) ; v3(85.3,40.7) R24.1@90.875,40.7
  Bottom Layer w0.2: v3(71.686,33.2) 84.069,33.2 85.3,34.431 v3(85.3,40.7)
BOOT1_PIN: R25.2 U5.20 | length 36
  Top Layer w0.2: U5.20@73.15,28.45 73.175,28.475 73.175,31.275 v3(73.2,31.3) ; v3(91.5,43.938) 92.883,43.938 93,43.821 R25.2@93,42.65
  Bottom Layer w0.2: v3(73.2,31.3) 73.2,32.583 73.317,32.7 90.787,32.7 91.5,33.413 v3(91.5,43.938)
DIP_OSC_IN: C20.2 R21.2 U5.5 Y1.1 | length 12.6
  Top Layer w0.2: Y1.1@64.617,37.2 65.019,36.798 Y1.1@65.302,36.798 ; Y1.1@65.337,36 65.337,33.65 ccw(c65.537,33.65) 65.537,33.45 67.65,33.45 U5.5@68.15,33.45 ; Y1.1@65.35,36 65.35,36.75 65.337,36.763 65.337,36.798 Y1.1@65.302,36.798 ; C20.2@66.408,39.758 64.376,39.758 R21.2@64.21,39.592 64.1,39.482 64.1,38 Y1.1@65.302,36.798
DIP_OSC_OUT: C19.2 R21.1 U5.6 Y1.2 | length 15.1
  Top Layer w0.2: C19.2@60.312,39.758 60.478,39.592 R21.1@62.51,39.592 62.7,39.402 62.7,37.861 61.637,36.798 Y1.2@61.5,36.661 ; Y1.2@61.65,36 61.741,35.909 cw(c61.6,35.767) 61.8,35.767 61.8,33.3 ccw(c62.15,33.3) 62.15,32.95 U5.6@68.15,32.95